# Allegro board RK3588S_Template_LP5D315P232SD10H2_42x42_2750MHz_1R2_V10_20220413YWQ.brd (continued)
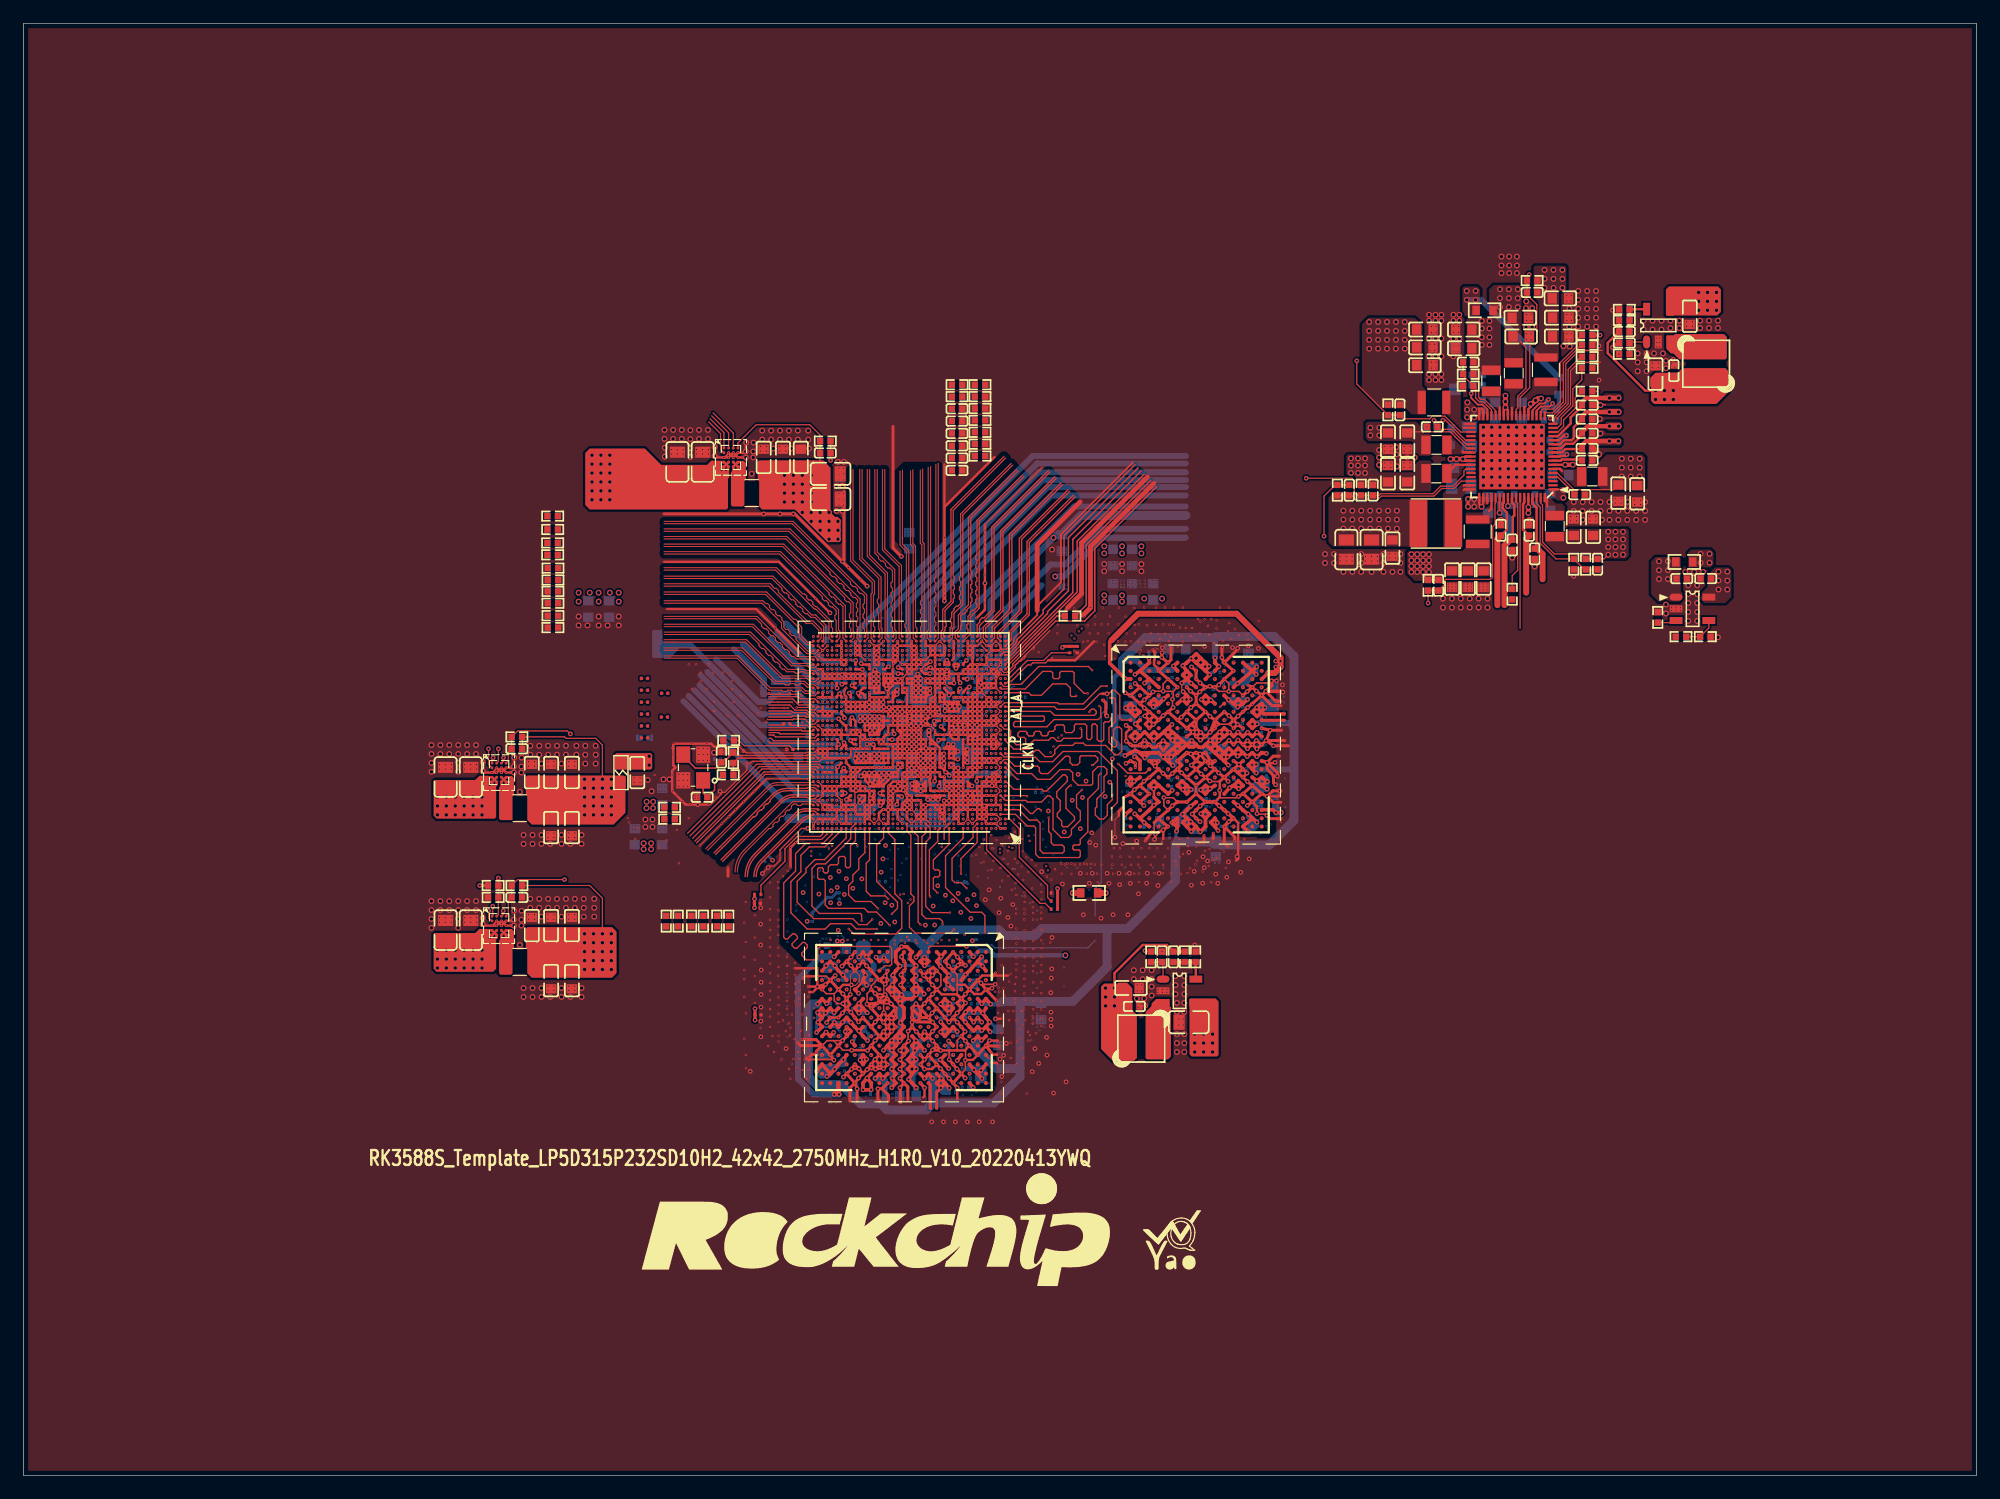
[diagram p0: board, top side]
## Routing (per net, layer and track width the routed paths; a pad name or vN(x,y) marks a point on that pad's centre or on a via; arc(x,y) is an arc through that point) (continued)
  TOP w0.305: v1(106.25,60.94) U3900.N15 ; U3900.W9 v7(101.8,57.56) v1(102.17,57.23) v3(102.6,56.86) v1(102.94,56.56) 103.37,56.18 v3(103.37,56.16) 103.37,56.14 v1(102.98,55.87) v7(102.6,55.46) ; v1(98.96,60.03) v3(98.6,60.36) ; v3(98.6,60.36) 98.95,60.71 v3(98.6,61.06) v3(99.4,61.76) v1(99.74,61.66) ; v3(98.6,60.36) v1(98.17,60) ; v1(107.61,66.94) 107.54,67.01 v1(106.15,67.01) 106.64,67.5 v1(106.64,67.91) ; v3(75.24,41.54) v1(74.95,41.92) v3(75.24,42.34) v1(74.98,42.79) v3(75.24,43.14) ; v1(76.27,44.28) U3901.J1 ; v1(78.69,74.73) v3(78.69,75.18) v3(78.69,75.56) v3(78.69,75.95) v3(78.69,76.33) v3(78.69,76.76)
  TOP w0.406: 86.61,73.91 86.61,79.52 90.29,83.2 ; 90.55,73.53 91.17,74.15 91.17,79.37 96.58,84.78 ; v1(126.24,81.71) C2249.2 ; C2251.2 v1(128.65,81.7) ; 89.22,74.17 90.4,75.35 90.4,79.69 96.03,85.32
  TOP w0.508: v2(134.62,87.25) 134.11,87.76 C2263.2 ; C2246.2 v2(127.2,78.44) ; C2253.2 v2(129.12,77.69)
  L2-GND1 w0.064: 77.42,69.95 77.17,69.7 v7(77.09,69.7) ; v8(78.69,69.3) 78.69,69.39 78.54,69.55 ; v8(69.47,62.99) 69.33,62.85 69.33,62.34 v7(69.09,62.1) ; v8(70.08,63.98) 69.73,64.33 69.4,64.33 69.33,64.41 69.33,64.6 69.09,64.83 v7(69.09,64.9) ; 77.72,69.9 77.72,70 77.73,70 77.73,70.2 77.59,70.33 77.4,70.33 ; v7(82.69,68.9) 82.69,68.9 v3(82.29,69.3) ; 70.94,67.15 70.74,67.15 70.7,67.19 70.61,67.19 70.56,67.23 70.36,67.23 v3(70.29,67.3) ; 70.94,67.15 v7(71.49,67.7) ; 70.94,67.15 70.94,66.76 70.68,66.5 v7(70.29,66.5) ; v1(80.04,67.74) 80.48,67.74 80.51,67.72 80.78,67.72 80.81,67.74 81.74,67.74 81.76,67.77 v1(81.79,67.77) ; 84.13,68.29 84.1,68.27 84.1,68.01 83.95,67.86 83.69,67.86 ; v8(70.99,64.39) 71.12,64.52 71.12,64.91 71.09,64.94 v3(71.09,65.3) ; v8(79.28,61.49) 79.34,61.55 80.18,61.55 80.35,61.72 80.4,61.67 80.43,61.7 80.87,61.7 80.93,61.64 ; v7(83.49,55.3) 83.1,55.69 v3(83.1,55.7) ; v8(82.5,62.68) 82.48,62.71 82.1,62.71 82.11,62.72 ; v8(70.48,64.08) 70.48,64.63 70.48,64.64 70.48,65.09 v3(70.69,65.3) ; 70.29,61.33 70.54,61.57 70.54,61.84 70.48,61.89 U1000.V34 v7(70.72,62.1) ; v7(68.29,70.5) v7(68.69,70.9) ; 76.25,56.29 76.2,56.29 76.15,56.24 76.15,55.98 75.89,55.72 v7(75.89,55.7) ; v7(97.8,59.66) v8(97.69,59.85) ; v7(69.89,71.3) 69.89,71.71 v8(69.53,72.07) ; v7(101.8,63.86) v8(101.73,64.14) ; v7(95.4,62.46) v8(95.63,62.48) ; v8(69.44,71.12) 69.49,71.07 v7(69.49,70.9) ; 70.08,66.52 70.08,67.02 v3(70.14,67.07) ; v7(83.49,66.9) 83.47,66.9 ; v7(68.29,63.7) 68.28,63.7 67.94,64.03 ; 72.69,57.25 v3(72.69,57.3) ; 67.89,70.1 68.29,69.71 v7(68.29,69.7) 67.97,69.38 67.97,69.37 ; v3(77.89,63.7) 77.89,64.06 78.49,64.66 v8(78.49,64.74) ; 79.2,55.8 79.17,55.8
  L2-GND1 w0.076: v7(79.49,56.1) 79.09,55.7 v7(78.69,55.7) ; v3(71.89,56.9) 71.89,56.94 71.68,57.15 71.27,57.15 71.22,57.1 ; 84.84,64.37 84.8,64.34 84.41,64.34 84.28,64.47 ; v3(73.49,56.9) 73.05,56.9 73,56.95 ; 73,56.95 72.69,57.25 ; 73,56.95 73,56.87 ; v7(72.44,39.94) v8(72.44,40.15) ; v7(69.49,56.1) 69.91,55.68 69.95,55.68 ; v3(75.89,56.9) 76.2,56.59 ; v8(80.27,43.8) 80.27,43.81 80.11,43.92 v3(80.11,43.94) ; 78.56,69.88 78.54,69.86 78.54,69.55 ; 71.38,40.79 71.25,40.79 71.03,41.01 ; v7(73.49,55.7) v3(73.09,56.1) v7(72.69,55.7) ; v7(75.89,55.7) v3(76.29,56.1) v7(76.69,56.1) ; 79.6,67.31 79.91,67.61 79.91,67.67 ; v7(81.09,55.7) v3(80.69,56.1) v7(80.29,55.7) ; v7(75.09,55.7) 74.76,56.03 74.71,56.03 74.68,56.06 v3(74.68,56.09) 74.67,56.08 74.67,56.06 74.64,56.03 74.63,56.03 74.29,55.7 ; v7(83.49,55.3) 83.09,55.7
  L2-GND1 w0.102: 76.2,56.59 76.6,56.59 v7(76.69,56.5) ; v7(83.09,62.1) 83.5,61.69 v7(83.5,61.29) ; v3(72.29,60.5) 72.32,60.53 72.32,62.07 v3(72.29,62.1) 72.3,62.1 v8(72.9,62.1) ; v8(80.24,62.12) 80.24,62.05 80.22,62.03 80.24,62 80.24,61.5 80.23,61.49 80.23,61.2 80.24,61.19 80.24,60.88 80.22,60.85 80.24,60.83 80.12,60.71 80.04,60.71 v8(80.01,60.73) ; v3(74.29,57.7) 74.45,57.86 74.65,57.86 74.98,57.53 75.32,57.53 v3(75.49,57.7) ; v3(71.49,63.7) 71.87,64.08 73.35,64.08 73.41,64.14 ; 70.29,61.35 v3(70.29,61.3) ; v7(83.49,63.7) v3(83.09,63.3) ; 77.07,66.78 v8(77.07,67.06) 77.07,67.3 v8(77.06,67.31) 77.06,67.67 v7(77.09,67.7) ; 77.42,58.16 77.15,58.16 ; 73.76,69.82 74.07,69.82 74.12,69.77 ; 84.1,58.65 84.23,58.78 84.23,58.92 83.95,59.21 ; 84.1,58.65 84.1,58.49 ; 84.1,58.65 83.95,58.5 v3(83.49,58.5) 83.49,58.5 v3(83.09,58.9) ; v3(82.29,66.5) 82.29,66.51 v3(81.89,66.9) v3(82.29,67.3) ; 70.41,67.81 70.41,67.35 ; 70.41,67.35 v3(70.14,67.07) ; 70.41,67.35 70.44,67.35 ; v8(80.01,62.36) 79.78,62.36 79.31,61.89 v8(79.28,61.89) 79.09,62.08 77.93,62.08 77.83,61.98 77.83,61.95 v8(77.77,61.9) ; 84.45,63.8 84.63,63.8 84.84,64.01 84.84,64.37 85.17,64.71 ; 79.25,69.44 79.3,69.49 79.3,69.59 79.28,69.61 79.28,69.73 79.3,69.76 79.3,69.85 ; v3(73.89,66.5) 73.97,66.42 75.01,66.42 v7(75.49,66.9) ; v7(73.89,58.5) 73.89,58.7 72.97,59.61 v8(72.47,59.61) ; 76.2,58.39 76.3,58.5 76.3,59.18 76.4,59.28 ; 78.24,60.47 78.26,60.5 78.29,60.47 78.31,60.49 79.03,60.49 79.13,60.39 ; v7(83.49,65.3) 83.14,64.95 83.11,64.95 v3(83.08,64.92) ; v8(84.79,68.53) 84.79,68.3 ; v3(83.09,60.06) U1000.N3 v7(83.49,60.5) ; 78.29,65.83 v3(78.29,65.7) ; v7(73.89,58.9) 73.89,58.95
  L2-GND1 w0.152: 77.06,66.62 77.07,66.63 77.07,66.78
  L3-S1 w0.064: 89.64,71.35 89.61,71.37 87.38,71.37 ; 89.64,71.35 89.69,71.3 ; 89.64,71.35 87.35,71.35 ; 87.2,71.37 87.21,71.37 87.38,71.37 ; 84.13,68.29 84.13,68.24 84.1,68.21 ; 84.13,68.29 84.1,68.27 84.1,68.21 ; 84.13,68.29 84.55,68.29 v8(84.79,68.53) ; 65.95,45.59 65.91,45.63 v8(65.91,45.85) ; v4(93.15,62.92) 93.16,62.92 v8(93.6,62.48) ; 87.38,71.37 87.35,71.35 ; 90,71.92 89.89,72.03 89.35,72.03 v8(89.28,71.96) ; 83.44,58.55 83.44,58.55 ; 83.44,58.55 83.49,58.5 v3(83.49,58.5) 83.45,58.46 83.45,58.43 83.44,58.44 83.44,58.55 ; v3(83.1,55.7) 83.1,55.69 83.32,55.47 83.32,55.24 83.57,54.99 ; v3(90.55,71.25) 90.5,71.3 89.69,71.3 ; v8(70.48,64.08) 70.48,64.09 70.48,65.09 v3(70.69,65.3) ; v8(70.08,63.98) 70,63.98 69.63,64.36 69.52,64.36 69.34,64.54 69.34,64.8 70.24,65.7 v3(70.29,65.7) ; 97.38,66.88 97.38,66.82 97.05,66.49 96.86,66.49 ; 84.1,68.21 84.1,68.01 83.98,67.89 83.98,67.89 83.96,67.86 83.33,67.86 v3(83.09,68.1) U1000.AP2 ; 65.95,48.13 65.91,48.09 v8(65.91,47.88) 65.91,47.15 v8(65.94,47.13) ; 87.35,71.35 v8(87.25,71.25) ; 89.69,71.3 89.74,71.25 89.79,71.25 ; v8(69.47,62.99) 69.33,62.85 69.33,62.24 69.41,62.16 70.25,62.16 70.26,62.17 v8(70.33,62.1) ; v4(73.79,64.24) 73.77,64.21 73.41,64.14 ; v3(71.09,65.3) 71.09,64.91 71.1,64.9 71.1,64.5 v8(70.99,64.39) ; v4(75.62,66.16) 75.62,66.2 75.11,66.71 v4(75.11,66.9) ; 100.88,60.95 100.52,60.95
  L3-S1 w0.066: 81.65,54.74 81.65,54.57 82.33,53.9 ; 81.65,54.74 81.65,55.19 ; 81.65,54.74 v3(82.05,54.34) ; 81.65,55.21 81.65,55.86
  L3-S1 w0.071: v4(70.71,35.49) 70.57,35.53 ; 80.57,53.85 80.57,55.04 80.5,55.11
  L3-S1 w0.076: 99,71.32 99,71.32 v3(99.06,71.27) ; 99,71.32 98.74,71.06 ; 99,71.32 98.87,71.46 ; 83.91,40.74 83.91,40.89 83.96,40.95 ; 83.91,40.74 83.96,40.68 ; 83.91,40.74 83.8,40.84 ; 87.33,73.38 87.32,73.39 87.11,73.39 ; 87.33,73.38 87.26,73.32 ; 87.33,73.38 87.39,73.32 ; 87.33,73.38 87.44,73.5 ; 86.04,37.92 85.97,37.99 85.9,37.99 v3(85.83,37.92) ; 86.04,37.92 86.1,37.86 86.52,37.86 86.53,37.85 ; 86.04,37.92 v3(85.83,37.92) ; 67.86,54.28 67.9,54.24 67.97,54.24 ; 67.86,54.28 66.67,53.08 66.7,53.06 ; 67.86,54.28 67.9,54.31 68.04,54.31 ; 94.14,60.81 94.27,60.68 94.27,60.66 94.19,60.58 ; 94.14,60.81 94.14,60.87 94.31,61.04 94.37,61.04 ; 94.14,60.81 94.19,60.86 v1(94.21,60.86) ; 84.01,53.38 v3(84.11,53.38) ; 84.01,53.38 84.9,52.5 ; 84.01,53.38 83.97,53.42 ; v3(84.11,53.38) 84.18,53.38 ; v3(84.11,53.38) 84.6,52.89 ; 99.4,55.48 99.4,55.59 99.12,55.87 ; 99.4,55.48 100.14,55.48 v1(100.53,55.88) 100.58,55.83 100.97,55.83 ; 99.4,55.48 99.4,55.34 99.4,54.59 ; 83.83,41.51 83.96,41.38 83.96,40.95 ; v1(100.54,61.66) 100.36,61.48 99.92,61.48 v1(99.74,61.66) ; 84.92,47.91 84.92,40.63 v3(84.72,40.43) 84.56,40.58 ; 84.92,47.91 84.92,48.12 ; 84.92,47.91 v3(84.81,48.02) 84.92,48.12 ; 76.13,47.72 v8(76.14,47.71) ; 76.13,47.72 76.13,48.61 ; 76.13,47.72 76.13,47.44 ; 69.47,54.74 69.21,54.48 ; 69.47,54.74 69.47,54.38 v8(69.44,54.36) ; 69.47,54.74 69.76,55.03 69.76,55.79 69.75,55.8 69.75,55.84 ; 69.21,54.48 69.32,54.48 v8(69.44,54.36) ; 69.21,54.48 69.01,54.27 ; 97.04,68.61 97.04,68.57 ; 97.04,68.61 97.04,68.95 ; 97.04,68.61 97.02,68.59 ; 97.04,68.57 97.04,68.43 97.21,68.27 97.21,67.88 97.08,67.76 97,67.76 ; 97.04,68.57 97.02,68.59 ; 65.95,45.89 v8(65.91,45.85) 65.95,45.81 ; 65.95,45.89 65.95,45.81 ; 65.95,45.89 65.95,47.1 65.94,47.12 v8(65.94,47.13) 65.95,47.15 65.95,49.11 ; 83.39,43.78 v3(83.57,43.6) 83.7,43.47 83.83,43.47 ; 83.39,43.78 83.52,43.78 83.83,43.47 ; 83.39,43.78 82.43,43.78 82.3,43.65 82.3,43.35 ; 97.15,62.69 97.15,62.62 97.07,62.54 ; 97.15,62.69 97.29,62.56 97.48,62.56 97.62,62.69 ; 97.15,62.69 97.15,62.77 97.36,62.77 v1(97.38,62.79) 97.41,62.77 97.62,62.77 97.62,62.69 ; 95.38,61.68 95.27,61.58 95.27,61.57 ; 95.38,61.68 95.16,61.68 ; 95.38,61.68 96.44,61.68 96.5,61.74 ; 91.59,53.33 v8(91.64,53.29) ; 91.59,53.33 91.59,53.22 92.03,52.79 95.19,52.79 ; 91.59,53.33 91.59,53.34 ; v8(91.64,53.29) 92.03,52.9 92.19,52.9 91.87,53.22 91.87,53.55 ; v8(91.64,53.29) 91.73,53.29 92.03,52.99 92.31,52.99 ; 68.83,40.77 68.33,40.77 ; 68.83,40.77 69.09,40.77 ; 68.83,40.77 v8(68.96,40.64) 69.09,40.77 ; 68.33,40.77 v8(68.2,40.64) 68.07,40.77 ; 68.33,40.77 68.07,40.77 ; 103.08,53.8 102.62,53.34 ; 103.08,53.8 102.94,53.8 v3(102.92,53.78) ; 103.08,53.8 103.5,54.22 ; 102.62,53.34 102.55,53.34 v3(102.53,53.32) ; 102.62,53.34 102.05,52.77 v3(101.97,52.77) 101.97,52.72 101.88,52.64 ; 92.05,55.08 92.05,55.72 91.86,55.91 ; 92.05,55.08 v8(91.95,54.98) 92.05,54.88 ; 92.05,55.08 92.05,54.88 ; v8(72.2,46.64) 72.37,46.46 ; 72.37,46.46 72.27,46.36 69.89,46.36 ; 72.37,46.46 72.48,46.36 ; v3(82.78,53.6) 82.63,53.6 ; 82.63,53.6 82.33,53.9 82.33,54.06 82.26,54.13 ; 82.63,53.6 86.17,50.06 ; 79.31,35.67 79.23,35.67 79.16,35.6 ; 79.31,35.67 79.18,35.54 v1(79.1,35.54) 79.16,35.6 ; 79.31,35.67 79.51,35.67 79.66,35.82 80.36,35.82 80.37,35.82 ; 104.49,68.93 104.44,68.98 ; 104.49,68.93 104.54,68.88 ; 104.49,68.93 104.49,68.9 104.5,68.9 104.5,68.69 ; 104.44,68.98 104.51,68.92 104.51,68.7 104.5,68.69 ; 104.44,68.98 104.39,69.03 ; 104.44,68.98 104.39,69.03 ; 102.6,66.86 102.43,66.7 v8(102.4,66.7) 102.48,66.78 102.48,66.86 ; v8(66.77,52.93) 66.81,52.89 66.81,52.83 64.63,50.66 64.63,47.37 ; v8(66.77,52.93) 66.16,52.31 66.1,52.31 66.73,52.94 66.58,52.94 ; v8(66.77,52.93) 66.87,52.93 ; 66.65,53.01 66.59,53.01 64.94,51.36 64.93,51.36 64.57,51 ; 66.65,53.01 66.58,52.94 ; 66.65,53.01 66.69,53.01 66.74,53.06 66.7,53.06 ; 102.42,74.03 102.73,74.03 102.77,73.99 ; 102.42,74.03 102.36,74.09 ; 102.42,74.03 99.29,74.03 ; 83.8,71.2 83.24,70.65 82.84,70.65 v3(82.69,70.5) ; 83.8,71.2 84.68,72.08 ; 83.8,71.2 83.8,71.38 ; 98.01,67.47 98.01,67.7 98.02,67.7 98.02,67.84 ; 98.01,67.47 98.01,67.22 97.87,67.08 97.67,67.08 97.66,67.1 97.45,67.1 v1(97.38,67.03) 97.38,66.88 97.55,66.71 97.86,66.71 98.08,66.5 98.08,66.46 v1(98.18,66.34) ; 98.01,67.47 97.74,67.75 97.74,67.84 ; 90.17,56.09 v8(90.33,56.25) 90.49,56.09 ; 90.17,56.09 90.49,56.09 ; 90.17,56.09 89.45,56.09 88.96,56.58 88.94,56.58 ; 103.62,56.89 103.69,56.82 103.69,56.84 103.33,57.2 ; 73.5,42.58 73.6,42.69 v1(73.63,42.69) 73.6,42.71 73.6,43.01 ; 73.5,42.58 73.5,42.07 ; 73.5,42.58 73.5,42.9 73.6,43.01 ; 64.61,47.39 64.63,47.37 ; 64.61,47.39 64.61,48.2 ; 64.61,47.39 64.6,47.4 ; 64.63,47.37 64.63,39.3 ; 95.21,51.36 v3(95.29,51.44) ; 95.21,51.36 95.38,51.36 ; 95.21,51.36 91.82,51.36 ; v3(95.29,51.44) 95.38,51.36 ; v3(95.29,51.44) 95.24,51.49 95.02,51.49 ; v3(95.29,51.44) 95.42,51.56 ; 64.59,47.6 64.59,48.18 64.61,48.2 ; 64.59,47.6 64.59,47.59 v3(64.5,47.5) 64.6,47.4 ; 64.59,47.6 64.57,47.62 64.57,47.54 64.58,47.53 64.58,47.46 64.48,47.37 64.48,47.36 64.56,47.36 64.6,47.4 ; v3(79.75,45.79) 79.67,45.86 ; 79.67,45.86 79.21,45.86 ; 79.67,45.86 79.81,45.86 ; 91.85,56.75 91.9,56.75 v8(91.92,56.77) 91.94,56.8 v8(91.94,57.13) ; 91.85,56.75 91.8,56.69 91.22,56.69 ; 91.85,56.75 91.85,56.67 92.02,56.5 ; 90.28,72.68 90.28,72.64 ; 90.28,72.68 90.26,72.65 88.86,72.65 ; 90.28,72.68 90.12,72.68 90.01,72.79 ; 90.28,72.68 90.17,72.79 ; 90.28,72.68 90.29,72.68 94.94,72.68 ; 90.28,72.68 90.28,72.68 90.39,72.79 ; 69.01,55.31 69.01,55.14 ; 69.01,55.31 69,55.31 69,55.22 68.98,55.22 68.83,55.07 ; 69.01,55.31 69.01,55.95 69.09,56.04 ; 69.01,55.14 67.52,53.65 67.32,53.65 ; 69.01,55.14 69.01,55.03 67.57,53.59 67.4,53.59 ; v8(68.27,34.46) 68.3,34.49 68.3,34.91 ; 81.07,53.49 80.57,53.99 ; 81.07,53.49 84.92,49.64 84.92,49.5 ; 81.07,53.49 81.07,53.35 ; 64.61,48.38 64.61,50.36 64.6,50.37 ; 64.61,48.38 64.61,48.2 ; 64.61,48.38 64.59,48.4 ; 79.3,62.93 79.3,62.99 79.35,63.04 v8(79.33,63.52) ; 79.3,62.93 v4(79.27,62.97) ; 79.3,62.93 79.3,62.98 79.33,63.01 v8(79.66,63.01) ; 91.47,63.57 91.45,63.59 90.11,63.59 ; 91.47,63.57 89.63,63.57 ; 91.47,63.57 91.48,63.56 ; 76.13,49.91 v8(76.11,49.89) 76.13,49.86 ; 76.13,49.91 76.13,49.86 ; 76.13,49.91 v8(76.13,53.44) ; 97.74,67.84 97.74,68.49 ; 97.74,67.84 98.02,67.84 ; 98.25,70.79 97.97,70.5 97.97,70.27 98.1,70.14 ; 98.25,70.79 98.61,71.14 ; 98.25,70.79 v4(98.25,70.41) 98.1,70.25 98.1,70.14 ; 89.11,62.64 89.05,62.7 ; 89.11,62.64 91.43,62.64 ; 89.11,62.64 88.99,62.64 ; 89.05,62.7 89.04,62.71 ; 89.05,62.7 88.99,62.64 ; 75.91,42.4 v8(76,42.32) 75.91,42.23 ; 75.91,42.4 75.91,42.23 ; 75.91,42.4 75.91,44.19 ; 94.72,53.52 94.31,53.52 93.94,53.89 ; 94.72,53.52 v3(94.79,53.59) 94.8,53.59 ; 94.72,53.52 94.72,53.52 96.81,53.52 v3(96.88,53.59) ; 101.21,51.96 101.21,52.03 v3(101.27,52.1) ; 101.21,51.96 101.88,52.64 ; 101.21,51.96 101.21,51.85 ; 65.95,49.19 v8(65.91,49.15) 65.95,49.11 ; 65.95,49.19 65.95,49.11 ; 65.95,49.19 65.95,50 ; 70.17,37.01 70.14,37.01 v1(69.99,37.16) 69.99,37.03 70.06,36.95 ; 70.17,37.01 70.12,36.95 70.06,36.95 ; 70.17,37.01 70.37,37.01 70.43,36.95 70.47,36.95 70.47,36.95 70.47,36.94 70.63,36.78 70.63,36.51 70.69,36.45 ; 94.37,61.04 94.21,60.88 v1(94.21,60.86) ; 94.37,61.04 94.51,60.9 ; 96.72,69.12 96.44,69.4 ; 96.72,69.12 96.72,69.24 v8(96.6,69.35) 96.56,69.4 96.44,69.4 ; 96.72,69.12 96.73,69.12 ; 96.44,69.4 95.8,69.4 95.65,69.55 95.65,69.83 ; 99.46,53 99.42,53 98.7,52.28 98.7,52.26 ; 99.46,53 99.48,53 99.5,52.97 99.5,52.92 ; 99.46,53 99.4,52.94 ; 63.79,37.8 63.75,37.76 ; 63.79,37.8 63.79,37.45 ; 63.79,37.8 63.8,37.81 ; 63.75,37.76 63.75,37.5 63.79,37.45 ; 63.75,37.76 63.75,47.44 v3(63.8,47.49) ; 81.65,55.86 81.96,56.17 ; 66.87,52.93 66.87,53.25 67.22,53.59 67.27,53.59 ; 66.87,52.93 64.66,50.71 ; 101.4,73.42 101.48,73.5 ; 101.4,73.42 101.33,73.5 ; 101.4,73.42 101.4,73.25 v3(101.48,73.17) ; 101.48,73.5 102.51,73.5 103.1,72.9 ; 101.48,73.5 101.33,73.5 ; 95.25,52.14 95.25,52.15 ; 95.25,52.14 98.72,52.14 98.74,52.17 ; 95.25,52.14 95.24,52.14 92.03,52.14 ; 95.25,52.15 95.25,52.17 95.34,52.26 ; 95.25,52.15 95.21,52.19 ; v3(97.39,61.93) 97.37,61.9 96.95,61.9 ; 70.82,35.69 70.77,35.69 70.71,35.75 ; 70.82,35.69 70.93,35.69 ; 70.82,35.69 70.82,35.6 ; 70.06,36.95 70.04,36.95 69.96,37.03 69.96,37.14 ; 104.18,53.93 104.18,54.57 ; 104.18,53.93 104.32,54.07 v3(104.32,54.39) ; 104.18,53.93 104.18,53.93 ; 104.18,54.57 104.18,55.85 104.38,56.05 ; 104.18,54.57 104.28,54.47 ; 94.9,71.9 94.79,71.9 ; 94.9,71.9 94.96,71.97 ; 94.9,71.9 95.03,71.9 ; 94.79,71.9 90.82,71.9 ; 94.79,71.9 94.73,71.96 94.78,72.02 ; 84.33,35.46 84.07,35.2 ; 84.33,35.46 84.33,35.54 ; 84.33,35.46 87.05,38.17 87.05,38.25 ; 84.07,35.2 83.84,35.2 ; 84.07,35.2 84.03,35.16 83.67,35.16 ; 79.64,36.99 79.64,36.49 v4(79.58,36.43) 79.58,36.42 79.5,36.35 79.29,36.35 79.05,36.11 79.05,35.71 79.16,35.6 ; 67.05,35.44 67.32,35.44 ; 67.05,35.44 67.05,35.68 v3(67.07,35.7) 67.32,35.44 ; 67.05,35.44 66.76,35.44 ; 67.32,35.44 68.26,35.44 68.56,35.74 ; v3(96.88,53.59) 96.91,53.59 96.98,53.52 97.56,53.52 ; v3(96.88,53.59) 96.83,53.65 96.27,53.65 ; 67.56,45.57 67.56,45.99 67.32,46.23 ; 67.56,45.57 67.29,45.84 v4(67.24,45.84) 67.32,45.92 67.32,46.23 ; 67.56,45.57 67.56,45.49 68.03,45.02 68.45,45.02 68.51,44.96 70.82,44.96 70.97,45.11 71.39,45.11 71.65,44.85 72.38,44.85 72.58,44.65 73.05,44.65 73.43,45.03 73.54,45.03 v4(73.58,44.99) ; 76.04,47.25 76.15,47.36 76.21,47.36 ; 76.04,47.25 76.04,46.5 76.12,46.42 80.12,46.42 ; 76.04,47.25 76.04,47.6 ; 102.98,56.52 103.08,56.42 ; 65.6,36.66 65.35,36.66 65.17,36.49 v1(65.16,36.49) ; 65.6,36.66 64.04,38.23 ; 65.6,36.66 66.01,36.26 67.77,36.26 ; 81.96,54.34 v3(82.05,54.34) 82.18,54.22 82.18,54.21 ; 81.96,54.34 81.65,54.65 ; 81.96,54.34 82.18,54.13 ; 92.77,69.87 92.35,70.29 ; 92.77,69.87 92.6,69.87 ; 92.77,69.87 92.92,69.87 93.8,69.87 ; 96.5,61.74 96.67,61.9 96.95,61.9 ; 96.5,61.74 96.5,60.9 96.52,60.88 ; 104.48,72.22 104.48,72.28 104.45,72.31 ; 104.48,72.22 104.48,71.99 ; 104.48,72.22 104.51,72.25 104.52,72.25 ; 78.54,45.86 75.58,45.86 75.51,45.94 ; 78.54,45.86 v3(78.44,45.76) ; 78.54,45.86 79.21,45.86 ; 98.27,72.68 98.14,72.55 96.91,72.55 ; 98.27,72.68 96.76,72.68 ; 98.27,72.68 v3(98.27,72.69) ; 67.17,37.83 67.45,38.11 ; 67.17,37.83 67.17,37.8 ; 67.17,37.83 66.84,37.51 66.84,37.51 ; 67.45,38.11 67.48,38.11 ; 67.45,38.11 67.48,38.14 ; 83.8,71.38 83.8,71.61 v3(83.89,71.7) 83.96,71.63 84.07,71.63 84.07,71.63 ; 83.8,71.38 83.83,71.38 83.83,71.38 84.07,71.63 ; 74.53,45.02 74.53,45.28 v3(74.43,45.38) 74.11,45.7 ; 74.53,45.02 73.78,45.77 v3(73.68,45.77) ; 74.53,45.02 74.53,43.94 ; 79.34,44.69 79.42,44.69 v1(79.8,44.31) ; 79.34,44.69 79.61,44.95 79.61,44.96 79.74,45.1 79.98,45.1 80.4,45.52 80.4,46.19 v3(80.42,46.21) 80.34,46.21 80.12,46.42 ; 79.34,44.69 79.33,44.69 79.33,44.68 78.55,44.68 78.55,44.69 78.27,44.69 78.26,44.68 77.66,44.68 ; 97.07,70.96 v3(97.12,71.01) ; 97.07,70.96 97.09,70.94 ; 97.07,70.96 97.04,70.98 97.05,70.98 97.05,71.57 96.97,71.65 ; 68.3,34.91 68.48,34.91 68.6,35.03 68.7,35.03 68.8,34.92 69.01,34.92 69.19,35.1 69.19,35.14 ; 68.3,34.91 67.45,34.91 ; 64.57,50.78 64.74,50.95 64.74,51.09 ; 64.57,50.78 64.54,50.81 64.54,50.86 ; 64.57,50.78 v3(64.49,50.71) ; 82.26,54.13 82.18,54.21 ; 82.26,54.13 82.18,54.13 ; 99.07,61.61 99.69,61.61 v1(99.74,61.66) ; 99.07,61.61 98.74,61.27 ; 99.07,61.61 98.83,61.61 ; 85.16,36.37 84.33,35.54 ; 85.16,36.37 85.16,36.45 v3(85.23,36.52) ; 85.16,36.37 87.05,38.25 ; 84.33,35.54 84.33,35.66 v3(84.35,35.67) ; 81.77,35.96 81.77,35.99 81.74,36.01 ; 81.77,35.96 81.72,36.01 81.6,36.01 ; 81.77,35.96 82.47,35.26 ; 76.4,38.17 76.28,38.05 76.28,37.95 76.3,37.93 ; 76.4,38.17 76.4,38.05 ; 76.4,38.17 76.4,38.43 76.48,38.51 76.48,38.82 76.3,38.99 ; 67.45,34.91 67.3,34.76 65.52,34.76 65.37,34.91 ; 67.45,34.91 65.58,34.91 63.53,36.96 ; 82.18,54.21 82.18,54.13 ; 69.38,35.14 69.19,35.14 ; 69.38,35.14 69.68,34.84 69.68,34.72 69.92,34.49 v4(69.94,34.49) ; 69.38,35.14 69.72,35.49 69.72,35.74 ; 69.19,35.14 69.25,35.2 v1(69.25,35.5) 69.48,35.5 69.72,35.74 ; v3(86.19,50.16) 86.19,50.18 86.08,50.3 ; v3(86.19,50.16) 86.36,49.99 ; v3(86.19,50.16) 86.14,50.16 ; v3(86.19,50.16) 86.07,50.29 86.07,50.42 ; 91.18,52.7 91.36,52.7 91.6,52.46 91.81,52.26 95.14,52.26 ; 91.18,52.7 91.28,52.6 91.28,52.32 v3(91.22,52.27) ; 91.18,52.7 88.18,52.7 ; 95.19,52.79 v3(95.27,52.86) ; 95.19,52.79 95.34,52.79 ; 93.97,73.32 94.11,73.32 ; 93.97,73.32 94.03,73.38 ; 93.97,73.32 87.39,73.32 ; 94.11,73.32 94.16,73.38 v3(94.16,73.39) 94.14,73.41 94.14,73.5 ; 94.11,73.32 99.7,73.32 99.71,73.32 100.23,73.32 100.28,73.27 ; 65.68,37.4 65.62,37.4 64.41,38.61 64.41,47.4 ; 65.68,37.4 65.68,37.52 ; 65.68,37.4 65.77,37.49 66.43,37.49 66.45,37.51 ; 87.36,71.97 87.39,71.97 ; 87.36,71.97 87.04,71.97 ; 87.36,71.97 v8(87.38,71.96) 87.39,71.97 ; 87.39,71.97 89.12,71.97 89.12,71.99 89.15,72.02 ; v1(75.93,38.73) 76.08,38.87 ; v1(75.93,38.73) 75.93,38.78 ; v1(75.93,38.73) 75.8,38.85 75.8,38.96 ; 76.08,38.87 76.08,38.94 ; 76.08,38.87 76.09,38.89 ; 76.25,56.29 76.25,56.39 76.27,56.41 76.27,56.52 ; 101.71,63.83 101.71,64.2 101.53,64.38 ; 101.71,63.83 v1(101.39,63.51) 101.27,63.62 100.7,63.62 ; 101.71,63.83 102.05,64.18 ; 69.09,40.77 69.22,40.77 69.62,41.17 ; v1(72.12,36.33) 71.82,36.03 71.27,36.03 ; 75.8,38.96 75.84,38.99 76.2,38.99 ; 75.8,38.96 76.05,38.96 76.08,38.94 ; 75.8,38.96 75.93,38.83 75.93,38.78 ; 75.8,38.96 75.8,39.03 ; 96.27,53.65 96.24,53.65 v3(96.19,53.6) ; 96.27,53.65 96.27,53.73 95.94,54.06 95.94,54.09 95.92,54.11 95.92,54.19 ; 104.37,69.64 104.48,69.75 104.48,69.83 ; 104.37,69.64 104.37,69.14 ; 104.37,69.64 104.32,69.59 104.32,69.19 ; 95.34,52.26 95.14,52.26 ; 95.34,52.26 98.7,52.26 ; 69.03,45.57 70.69,45.57 ; 69.03,45.57 68.96,45.64 v3(68.96,45.77) ; 69.03,45.57 69.1,45.5 69.2,45.5 ; 70.69,45.57 70.77,45.65 ; 70.69,45.57 70.62,45.5 69.37,45.5 ; 68.74,42.21 68.74,42.21 68.75,42.21 69.32,42.21 69.47,42.06 ; 68.74,42.21 68.37,42.58 68.03,42.58 68,42.61 67.95,42.61 ; 68.74,42.21 68.74,42.16 v1(68.53,41.96) ; 66.53,53.06 66.25,52.77 65.31,51.83 ; 66.53,53.06 66.7,53.06 ; 66.53,53.06 67.86,54.39 ; 69.57,53.62 69.32,53.36 ; 69.57,53.62 69.37,53.62 v8(69.34,53.59) 69.32,53.57 69.32,53.36 ; 69.57,53.62 69.98,54.02 ; 69.32,53.36 68.94,52.98 ; 99.28,52.74 98.79,52.26 98.7,52.26 ; 99.28,52.74 99.32,52.74 ; 99.28,52.74 99.4,52.86 99.4,52.94 ; v1(96.69,60.61) 96.69,60.66 ; 96.69,60.66 96.69,60.71 96.52,60.88 ; 96.69,60.66 96.64,60.71 ; 84.08,53.48 84,53.48 ; 84.08,53.48 82.69,54.88 ; 84.08,53.48 84.11,53.45 ; 84,53.48 82.71,54.77 ; 84,53.48 83.93,53.48 83.92,53.47 ; v3(88.7,51.44) 88.75,51.49 91.68,51.49 v3(91.73,51.44) ; v3(88.7,51.44) 88.79,51.36 ; v3(88.7,51.44) 88.62,51.36 ; 93.51,62.45 93.47,62.49 ; 93.51,62.45 93.57,62.39 94.24,62.39 ; 93.51,62.45 94.38,62.45 94.38,62.46 ; 93.47,62.49 94.29,62.49 94.32,62.52 ; 93.47,62.49 93.43,62.53 ; 70.71,35.75 70.59,35.75 70.46,35.88 70.01,35.88 ; 70.71,35.75 70.71,35.62 ; 70.79,36.32 70.75,36.29 70.68,36.36 70.68,36.43 70.69,36.45 ; 70.79,36.32 70.79,36.36 70.78,36.36 70.78,36.35 70.77,36.35 ; 70.79,36.32 70.77,36.35 ; 70.79,36.32 70.95,36.17 71.13,36.17 71.27,36.03 ; 103.26,56.35 103.06,56.56 v1(102.94,56.56) 103.02,56.64 103.18,56.64 103.26,56.56 103.26,56.35 ; 103.26,56.35 103.61,56 103.61,55.82 ; 66.95,40.66 67.62,41.33 69.05,41.33 69.56,41.84 ; 66.95,40.66 66.95,39.74 66.61,39.4 v3(66.55,39.4) ; 66.95,40.66 66.95,41.71 ; 86.97,62.01 86.97,62.22 v4(86.83,62.36) 86.48,62.01 ; 86.97,62.01 86.48,62.01 ; 86.97,62.01 87.21,62.01 ; 104.43,68.44 104.43,68.33 ; 104.43,68.44 104.39,68.4 ; 104.43,68.44 104.54,68.55 ; 104.43,68.33 104.43,68.29 ; 104.43,68.33 104.54,68.45 ; 104.44,69.08 104.37,69.14 ; 104.44,69.08 104.44,69.58 104.5,69.64 ; 104.44,69.08 104.5,69.02 ; 104.37,69.14 104.32,69.19 ; v1(103.82,58.03) 103.82,58.13 103.61,58.33 103.47,58.47 103.27,58.47 103.26,58.46 103.26,58.46 103.17,58.38 102.38,58.38 102.36,58.39 102.3,58.39 102.3,58.49 102.25,58.54 102.23,58.54 102.23,58.55 v1(102.22,58.55) 102.22,58.4 101.83,58.01 101.63,58.01 101.18,57.55 ; 91.81,53.88 91.64,53.88 v1(91.62,53.86) 91.76,53.73 ; 91.81,53.88 91.76,53.83 91.76,53.73 ; 91.81,53.88 91.87,53.94 ; 67.17,37.8 66.86,37.49 66.84,37.51 ; 67.17,37.8 67.17,37.7 v3(67.12,37.65) 67.06,37.6 67.06,37.38 v3(66.94,37.25) 66.94,37.15 67.29,36.79 67.82,36.79 67.86,36.83 ; 102.56,70.87 v3(102.45,70.76) 102.45,70.76 102.45,70.57 ; 102.56,70.87 102.56,71.23 ; 102.56,70.87 102.56,70.68 102.45,70.57 ; 88.6,62.11 88.49,62.11 88.36,61.97 88.29,61.97 87.81,61.5 85.81,61.5 85.56,61.75 84.36,61.75 84.29,61.68 83.61,61.68 83.44,61.85 83.42,61.85 83.24,62.03 v8(83.24,62.25) 83.32,62.33 83.81,62.33 83.81,62.33 84.01,62.33 84.05,62.3 85.8,62.3 86.08,62.01 86.48,62.01 ; 88.6,62.11 88.63,62.08 ; 88.6,62.11 88.66,62.11 ; 75.51,46.27 75.51,46.16 ; 75.51,46.27 75.51,48.39 75.32,48.58 ; 75.51,46.27 75.46,46.27 75.45,46.26 ; 75.51,46.16 75.56,46.1 ; 75.51,46.16 75.51,46.13 75.45,46.07 ; 68.38,46.35 v8(68.46,46.27) 68.43,46.27 68.38,46.21 ; 68.38,46.35 68.38,46.42 68.38,46.43 68.38,46.53 68.45,46.61 68.85,46.61 68.92,46.53 68.92,46.4 ; 68.38,46.35 68.38,46.21 ; 91.87,53.94 91.87,53.55 ; 91.87,53.94 92.05,54.12 ; 91.87,53.55 91.83,53.5 91.76,53.5 ; 95.65,69.83 95.65,69.99 v3(96.13,70.47) 97.24,70.47 97.25,70.48 ; 95.65,69.83 95.42,70.05 ; 83.54,37.95 83.5,37.95 83.41,37.87 83.41,37.76 83.5,37.68 83.61,37.68 83.69,37.76 83.69,37.8 ; 83.54,37.95 83.54,38.26 83.33,38.46 83.33,40.39 ; 83.54,37.95 83.69,37.8 ; 86.98,71.9 86.97,71.9 86.76,71.7 ; 86.98,71.9 86.7,71.62 ; 86.98,71.9 89.22,71.9 v8(89.28,71.96) 89.22,72.02 89.15,72.02 ; 69.59,36.77 v8(69.35,36.77) 69.25,36.77 69.21,36.73 ; 69.59,36.77 69.75,36.93 ; 69.59,36.77 69.55,36.73 69.21,36.73 ; v8(81.31,61.9) 81.26,61.91 v4(80.9,62.48) ; 99.4,54.59 v3(99.5,54.49) 99.4,54.39 ; 99.4,54.59 99.4,54.39 ; 104.39,68.45 104.31,68.37 104.28,68.37 ; 104.39,68.45 104.48,68.54 ; 104.39,68.45 104.39,68.4 ; 100.34,64.62 100.59,64.88 v4(100.59,64.93) 100.7,64.82 101.34,64.82 v1(101.39,64.87) 101.39,64.67 101.25,64.54 101.4,64.38 101.53,64.38 ; 76.13,49.86 76.13,48.61 ; 69.86,35.88 70.01,35.88 ; 69.86,35.88 69.88,35.89 69.88,36.01 ; 69.86,35.88 69.72,35.74 ; 70.01,35.88 69.88,36.01 ; 86.25,37.62 86.12,37.62 ; 86.25,37.62 86.37,37.75 ; 86.25,37.62 85.99,37.37 ; 69.86,45.76 69.92,45.82 ; 69.86,45.76 69.82,45.81 69.13,45.81 69.11,45.82 ; 69.86,45.76 69.86,45.73 69.79,45.66 69.04,45.66 ; 69.86,45.76 v1(69.96,45.67) 70,45.7 70.28,45.7 70.36,45.62 70.47,45.62 70.55,45.7 70.87,45.7 70.82,45.65 ; 69.92,45.82 75.2,45.82 ; 69.92,45.82 69.11,45.82 ; v3(85.53,49.82) 85.53,48.02 v3(85.53,48.02) ; v3(85.53,49.82) 81.56,53.8 ; v3(85.53,49.82) 85.46,49.82 ; v3(85.53,49.82) 85.63,49.72 ; v3(85.53,49.82) 85.53,49.94 ; v8(67.31,52.35) 67.33,52.37 67.33,52.6 ; v8(67.31,52.35) 67.29,52.33 67.06,52.33 ; v8(67.31,52.35) 67.21,52.45 67.18,52.45 ; 104.52,71.83 104.48,71.8 ; 104.52,71.83 v3(104.58,71.9) 104.58,71.9 104.48,71.99 ; 104.52,71.83 104.52,72.25 ; 104.48,71.8 104.48,71.99 ; 104.48,71.8 104.48,71.55 ; 76.4,38.05 76.41,38.06 76.44,38.06 ; 76.4,38.05 v1(76.29,37.94) 76.3,37.93 76.3,37.93 ; 67.97,54.24 68.04,54.31 ; 67.97,54.24 67.93,54.21 67.88,54.21 67.32,53.65 ; 68.04,54.31 68.09,54.36 ; v1(81.82,42.08) 81.82,42.1 81.79,42.13 81.79,42.19 ; v3(85.53,48.02) 85.59,47.96 85.59,40.17 ; v3(85.53,48.02) 85.53,47.86 85.46,47.78 ; 94.83,72.79 90.39,72.79 ; 94.83,72.79 94.99,72.79 ; 94.83,72.79 94.94,72.68 ; 90.39,72.79 90.17,72.79 ; 103.26,57.68 103.33,57.61 103.33,57.2 ; 88.51,72.79 88.45,72.79 ; 88.51,72.79 88.41,72.69 ; 88.51,72.79 88.57,72.79 ; 88.45,72.79 88.28,72.79 88.19,72.69 87.73,72.69 87.71,72.71 87.69,72.71 ; 88.45,72.79 88.41,72.74 88.41,72.74 88.36,72.69 88.41,72.69 ; 69.34,42.78 69.49,42.93 69.6,42.93 ; 69.34,42.78 69.36,42.77 v1(69.36,42.73) 69.42,42.67 69.6,42.67 ; 69.34,42.78 69.34,43.05 69.05,43.34 68.86,43.34 68.85,43.33 68.84,43.33 68.63,43.12 68.44,43.12 68.3,43.25 67.92,43.25 ; 66.14,50.19 65.95,50 ; 66.14,50.19 66.02,50.19 65.95,50.25 ; 66.14,50.19 66.27,50.32 ; 65.95,50 65.95,50.25 ; 81.6,36.01 81.08,36.01 81.02,36.07 ; 81.6,36.01 81.61,36.01 81.74,36.01 ; 90.11,63.59 89.63,63.59 ; 90.11,63.59 89.92,63.78 